# KiCad board Si5351ABreakout_panel.kicad_pcb (continued)
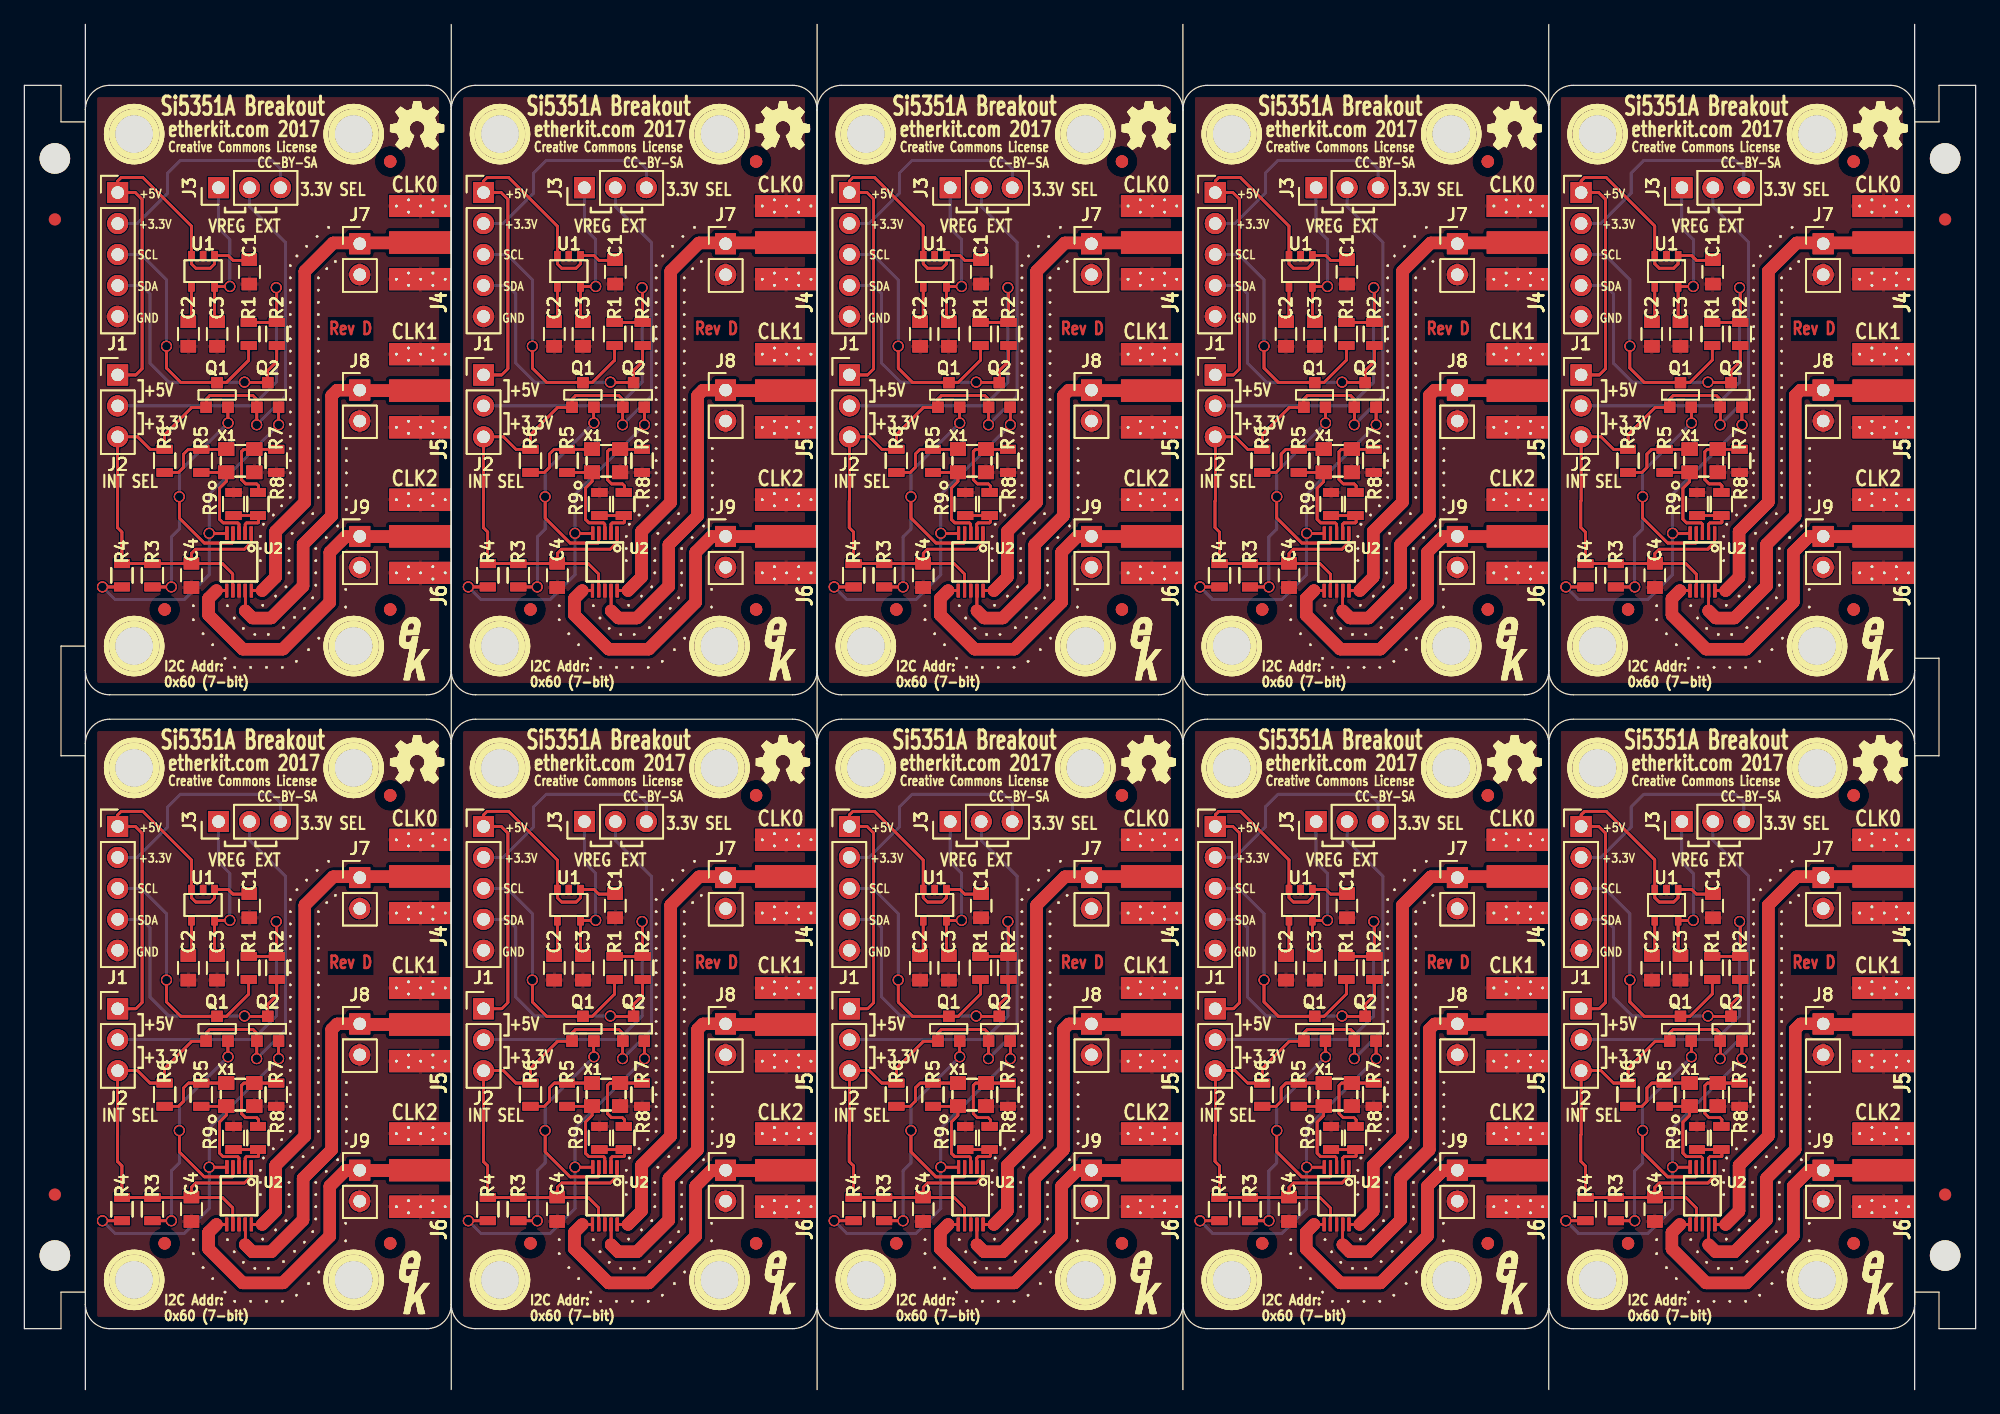
[diagram p0: board, top side]
## Placement (name value [footprint] x y rotation side) (continued)
R4#25  10k  [R_0805]  38 14.8 270 top
R4#26  10k  [R_0805]  38 14.8 270 top
R4#27  10k  [R_0805]  38 14.8 270 top
R4#28  10k  [R_0805]  38 14.8 270 top
R4#29  10k  [R_0805]  8 14.8 270 top
R4#30  10k  [R_0805]  8 14.8 270 top
R4#31  10k  [R_0805]  8 14.8 270 top
R4#32  10k  [R_0805]  8 14.8 270 top
R4#33  10k  [R_0805]  98 14.8 270 top
R4#34  10k  [R_0805]  98 14.8 270 top
R4#35  10k  [R_0805]  98 14.8 270 top
R4#36  10k  [R_0805]  98 14.8 270 top
R4#37  10k  [R_0805]  128 14.8 270 top
R4#38  10k  [R_0805]  128 14.8 270 top
R4#39  10k  [R_0805]  128 14.8 270 top
R4#40  10k  [R_0805]  128 14.8 270 top
R5  0  [R_0805]  14.5 76.2 270 top
R5#2  0  [R_0805]  44.5 76.2 270 top
R5#3  0  [R_0805]  74.5 76.2 270 top
R5#4  0  [R_0805]  104.5 76.2 270 top
R5#5  0  [R_0805]  134.5 76.2 270 top
R5#6  0  [R_0805]  14.5 76.2 270 top
R5#7  0  [R_0805]  44.5 76.2 270 top
R5#8  0  [R_0805]  74.5 76.2 270 top
R5#9  0  [R_0805]  104.5 76.2 270 top
R5#10  0  [R_0805]  134.5 76.2 270 top
R5#11  0  [R_0805]  134.5 76.2 270 top
R5#12  0  [R_0805]  104.5 76.2 270 top
R5#13  0  [R_0805]  74.5 76.2 270 top
R5#14  0  [R_0805]  44.5 76.2 270 top
R5#15  0  [R_0805]  14.5 76.2 270 top
R5#16  0  [R_0805]  14.5 76.2 270 top
R5#17  0  [R_0805]  44.5 76.2 270 top
R5#18  0  [R_0805]  74.5 76.2 270 top
R5#19  0  [R_0805]  104.5 76.2 270 top
R5#20  0  [R_0805]  134.5 76.2 270 top
R5#21  0  [R_0805]  74.5 24.2 270 top
R5#22  0  [R_0805]  14.5 24.2 270 top
R5#23  0  [R_0805]  14.5 24.2 270 top
R5#24  0  [R_0805]  14.5 24.2 270 top
R5#25  0  [R_0805]  14.5 24.2 270 top
R5#26  0  [R_0805]  74.5 24.2 270 top
R5#27  0  [R_0805]  74.5 24.2 270 top
R5#28  0  [R_0805]  74.5 24.2 270 top
R5#29  0  [R_0805]  44.5 24.2 270 top
R5#30  0  [R_0805]  44.5 24.2 270 top
R5#31  0  [R_0805]  44.5 24.2 270 top
R5#32  0  [R_0805]  44.5 24.2 270 top
R5#33  0  [R_0805]  134.5 24.2 270 top
R5#34  0  [R_0805]  134.5 24.2 270 top
R5#35  0  [R_0805]  134.5 24.2 270 top
R5#36  0  [R_0805]  134.5 24.2 270 top
R5#37  0  [R_0805]  104.5 24.2 270 top
R5#38  0  [R_0805]  104.5 24.2 270 top
R5#39  0  [R_0805]  104.5 24.2 270 top
R5#40  0  [R_0805]  104.5 24.2 270 top
R6  0  [R_0805]  11.5 76.2 270 top
R6#2  0  [R_0805]  41.5 76.2 270 top
R6#3  0  [R_0805]  71.5 76.2 270 top
R6#4  0  [R_0805]  101.5 76.2 270 top
R6#5  0  [R_0805]  131.5 76.2 270 top
R6#6  0  [R_0805]  11.5 76.2 270 top
R6#7  0  [R_0805]  41.5 76.2 270 top
R6#8  0  [R_0805]  71.5 76.2 270 top
R6#9  0  [R_0805]  101.5 76.2 270 top
R6#10  0  [R_0805]  131.5 76.2 270 top
R6#11  0  [R_0805]  131.5 76.2 270 top
R6#12  0  [R_0805]  101.5 76.2 270 top
R6#13  0  [R_0805]  71.5 76.2 270 top
R6#14  0  [R_0805]  41.5 76.2 270 top
R6#15  0  [R_0805]  11.5 76.2 270 top
R6#16  0  [R_0805]  11.5 76.2 270 top
R6#17  0  [R_0805]  41.5 76.2 270 top
R6#18  0  [R_0805]  71.5 76.2 270 top
R6#19  0  [R_0805]  101.5 76.2 270 top
R6#20  0  [R_0805]  131.5 76.2 270 top
R6#21  0  [R_0805]  71.5 24.2 270 top
R6#22  0  [R_0805]  11.5 24.2 270 top
R6#23  0  [R_0805]  11.5 24.2 270 top
R6#24  0  [R_0805]  11.5 24.2 270 top
R6#25  0  [R_0805]  11.5 24.2 270 top
R6#26  0  [R_0805]  71.5 24.2 270 top
R6#27  0  [R_0805]  71.5 24.2 270 top
R6#28  0  [R_0805]  71.5 24.2 270 top
R6#29  0  [R_0805]  41.5 24.2 270 top
R6#30  0  [R_0805]  41.5 24.2 270 top
R6#31  0  [R_0805]  41.5 24.2 270 top
R6#32  0  [R_0805]  41.5 24.2 270 top
R6#33  0  [R_0805]  101.5 24.2 270 top
R6#34  0  [R_0805]  131.5 24.2 270 top
R6#35  0  [R_0805]  131.5 24.2 270 top
R6#36  0  [R_0805]  131.5 24.2 270 top
R6#37  0  [R_0805]  131.5 24.2 270 top
R6#38  0  [R_0805]  101.5 24.2 270 top
R6#39  0  [R_0805]  101.5 24.2 270 top
R6#40  0  [R_0805]  101.5 24.2 270 top
R7  0  [R_0805]  20.65 76.2 270 top
R7#2  0  [R_0805]  50.65 76.2 270 top
R7#3  0  [R_0805]  80.65 76.2 270 top
R7#4  0  [R_0805]  110.65 76.2 270 top
R7#5  0  [R_0805]  140.65 76.2 270 top
R7#6  0  [R_0805]  20.65 76.2 270 top
R7#7  0  [R_0805]  50.65 76.2 270 top
R7#8  0  [R_0805]  80.65 76.2 270 top
R7#9  0  [R_0805]  110.65 76.2 270 top
R7#10  0  [R_0805]  140.65 76.2 270 top
R7#11  0  [R_0805]  140.65 76.2 270 top
R7#12  0  [R_0805]  110.65 76.2 270 top
R7#13  0  [R_0805]  80.65 76.2 270 top
R7#14  0  [R_0805]  50.65 76.2 270 top
R7#15  0  [R_0805]  20.65 76.2 270 top
R7#16  0  [R_0805]  20.65 76.2 270 top
R7#17  0  [R_0805]  50.65 76.2 270 top
R7#18  0  [R_0805]  80.65 76.2 270 top
R7#19  0  [R_0805]  110.65 76.2 270 top
R7#20  0  [R_0805]  140.65 76.2 270 top
R7#21  0  [R_0805]  80.65 24.2 270 top
R7#22  0  [R_0805]  20.65 24.2 270 top
R7#23  0  [R_0805]  20.65 24.2 270 top
R7#24  0  [R_0805]  20.65 24.2 270 top
R7#25  0  [R_0805]  20.65 24.2 270 top
R7#26  0  [R_0805]  80.65 24.2 270 top
R7#27  0  [R_0805]  80.65 24.2 270 top
R7#28  0  [R_0805]  80.65 24.2 270 top
R7#29  0  [R_0805]  50.65 24.2 270 top
R7#30  0  [R_0805]  50.65 24.2 270 top
R7#31  0  [R_0805]  50.65 24.2 270 top
R7#32  0  [R_0805]  50.65 24.2 270 top
R7#33  0  [R_0805]  140.65 24.2 270 top
R7#34  0  [R_0805]  140.65 24.2 270 top
R7#35  0  [R_0805]  140.65 24.2 270 top
R7#36  0  [R_0805]  140.65 24.2 270 top
R7#37  0  [R_0805]  110.65 24.2 270 top
R7#38  0  [R_0805]  110.65 24.2 270 top
R7#39  0  [R_0805]  110.65 24.2 270 top
R7#40  0  [R_0805]  110.65 24.2 270 top
R8  0  [R_0805]  19.15 72.65 270 top
R8#2  0  [R_0805]  49.15 72.65 270 top
R8#3  0  [R_0805]  79.15 72.65 270 top
R8#4  0  [R_0805]  109.15 72.65 270 top
R8#5  0  [R_0805]  139.15 72.65 270 top
R8#6  0  [R_0805]  19.15 72.65 270 top
R8#7  0  [R_0805]  49.15 72.65 270 top
R8#8  0  [R_0805]  79.15 72.65 270 top
R8#9  0  [R_0805]  109.15 72.65 270 top
R8#10  0  [R_0805]  139.15 72.65 270 top
R8#11  0  [R_0805]  139.15 72.65 270 top
R8#12  0  [R_0805]  109.15 72.65 270 top
R8#13  0  [R_0805]  79.15 72.65 270 top
R8#14  0  [R_0805]  49.15 72.65 270 top
R8#15  0  [R_0805]  19.15 72.65 270 top
R8#16  0  [R_0805]  19.15 72.65 270 top
R8#17  0  [R_0805]  49.15 72.65 270 top
R8#18  0  [R_0805]  79.15 72.65 270 top
R8#19  0  [R_0805]  109.15 72.65 270 top
R8#20  0  [R_0805]  139.15 72.65 270 top
R8#21  0  [R_0805]  79.15 20.65 270 top
R8#22  0  [R_0805]  19.15 20.65 270 top
R8#23  0  [R_0805]  19.15 20.65 270 top
R8#24  0  [R_0805]  19.15 20.65 270 top
R8#25  0  [R_0805]  19.15 20.65 270 top
R8#26  0  [R_0805]  79.15 20.65 270 top
R8#27  0  [R_0805]  79.15 20.65 270 top
R8#28  0  [R_0805]  79.15 20.65 270 top
R8#29  0  [R_0805]  49.15 20.65 270 top
R8#30  0  [R_0805]  49.15 20.65 270 top
R8#31  0  [R_0805]  49.15 20.65 270 top
R8#32  0  [R_0805]  49.15 20.65 270 top
R8#33  0  [R_0805]  109.15 20.65 270 top
R8#34  0  [R_0805]  109.15 20.65 270 top
R8#35  0  [R_0805]  109.15 20.65 270 top
R8#36  0  [R_0805]  109.15 20.65 270 top
R8#37  0  [R_0805]  139.15 20.65 270 top
R8#38  0  [R_0805]  139.15 20.65 270 top
R8#39  0  [R_0805]  139.15 20.65 270 top
R8#40  0  [R_0805]  139.15 20.65 270 top
R9  0  [R_0805]  17.15 72.65 90 top
R9#2  0  [R_0805]  47.15 72.65 90 top
R9#3  0  [R_0805]  77.15 72.65 90 top
R9#4  0  [R_0805]  107.15 72.65 90 top
R9#5  0  [R_0805]  137.15 72.65 90 top
R9#6  0  [R_0805]  17.15 72.65 90 top
R9#7  0  [R_0805]  47.15 72.65 90 top
R9#8  0  [R_0805]  77.15 72.65 90 top
R9#9  0  [R_0805]  107.15 72.65 90 top
R9#10  0  [R_0805]  137.15 72.65 90 top
R9#11  0  [R_0805]  137.15 72.65 90 top
R9#12  0  [R_0805]  107.15 72.65 90 top
R9#13  0  [R_0805]  77.15 72.65 90 top
R9#14  0  [R_0805]  47.15 72.65 90 top
R9#15  0  [R_0805]  17.15 72.65 90 top
R9#16  0  [R_0805]  17.15 72.65 90 top
R9#17  0  [R_0805]  47.15 72.65 90 top
R9#18  0  [R_0805]  77.15 72.65 90 top
R9#19  0  [R_0805]  107.15 72.65 90 top
R9#20  0  [R_0805]  137.15 72.65 90 top
R9#21  0  [R_0805]  77.15 20.65 90 top
R9#22  0  [R_0805]  17.15 20.65 90 top
R9#23  0  [R_0805]  17.15 20.65 90 top
R9#24  0  [R_0805]  17.15 20.65 90 top
R9#25  0  [R_0805]  17.15 20.65 90 top
R9#26  0  [R_0805]  77.15 20.65 90 top
R9#27  0  [R_0805]  77.15 20.65 90 top
R9#28  0  [R_0805]  77.15 20.65 90 top
R9#29  0  [R_0805]  47.15 20.65 90 top
R9#30  0  [R_0805]  47.15 20.65 90 top
R9#31  0  [R_0805]  47.15 20.65 90 top
R9#32  0  [R_0805]  47.15 20.65 90 top
R9#33  0  [R_0805]  107.15 20.65 90 top
R9#34  0  [R_0805]  107.15 20.65 90 top
R9#35  0  [R_0805]  107.15 20.65 90 top
R9#36  0  [R_0805]  107.15 20.65 90 top
R9#37  0  [R_0805]  137.15 20.65 90 top
R9#38  0  [R_0805]  137.15 20.65 90 top
R9#39  0  [R_0805]  137.15 20.65 90 top
R9#40  0  [R_0805]  137.15 20.65 90 top
Ref**  Val**  [EtherkitLogoSmall]  32 60.8 0 top
REF**  -  [Fiducial_1mm_Dia_2.54mm_Outer_CopperTop]  30 64 0 top
Ref**#2  Val**  [EtherkitLogoSmall]  62 60.8 0 top
REF**#2  -  [Fiducial_1mm_Dia_2.54mm_Outer_CopperTop]  60 64 0 top
Ref**#3  Val**  [EtherkitLogoSmall]  92 60.8 0 top
REF**#3  -  [Fiducial_1mm_Dia_2.54mm_Outer_CopperTop]  90 64 0 top
Ref**#4  Val**  [EtherkitLogoSmall]  122 60.8 0 top
REF**#4  -  [Fiducial_1mm_Dia_2.54mm_Outer_CopperTop]  120 64 0 top
Ref**#5  Val**  [EtherkitLogoSmall]  152 60.8 0 top
REF**#5  -  [Fiducial_1mm_Dia_2.54mm_Outer_CopperTop]  150 64 0 top
REF**#6  -  [Fiducial_1mm_Dia_2.54mm_Outer_CopperTop]  11.5 64 0 top
Ref**#6  Val**  [EtherkitLogoSmall]  32 60.8 0 top
REF**#7  -  [Fiducial_1mm_Dia_2.54mm_Outer_CopperTop]  41.5 64 0 top
Ref**#7  Val**  [EtherkitLogoSmall]  62 60.8 0 top
REF**#8  -  [Fiducial_1mm_Dia_2.54mm_Outer_CopperTop]  71.5 64 0 top
Ref**#8  Val**  [EtherkitLogoSmall]  92 60.8 0 top
REF**#9  -  [Fiducial_1mm_Dia_2.54mm_Outer_CopperTop]  101.5 64 0 top
Ref**#9  Val**  [EtherkitLogoSmall]  122 60.8 0 top
REF**#10  -  [Fiducial_1mm_Dia_2.54mm_Outer_CopperTop]  131.5 64 0 top
Ref**#10  Val**  [EtherkitLogoSmall]  152 60.8 0 top
REF**#11  -  [Fiducial_1mm_Dia_2.54mm_Outer_CopperTop]  30 100.75 0 top
Ref**#11  Val**  [EtherkitLogoSmall]  152 60.8 0 top
REF**#12  -  [Fiducial_1mm_Dia_2.54mm_Outer_CopperTop]  60 100.75 0 top
Ref**#12  Val**  [EtherkitLogoSmall]  122 60.8 0 top
REF**#13  -  [Fiducial_1mm_Dia_2.54mm_Outer_CopperTop]  90 100.75 0 top
Ref**#13  Val**  [EtherkitLogoSmall]  92 60.8 0 top
REF**#14  -  [Fiducial_1mm_Dia_2.54mm_Outer_CopperTop]  120 100.75 0 top
Ref**#14  Val**  [EtherkitLogoSmall]  62 60.8 0 top
REF**#15  -  [Fiducial_1mm_Dia_2.54mm_Outer_CopperTop]  150 100.75 0 top
Ref**#15  Val**  [EtherkitLogoSmall]  32 60.8 0 top
REF**#16  -  [Fiducial_1mm_Dia_2.54mm_Outer_CopperTop]  30 64 0 top
Ref**#16  Val**  [EtherkitLogoSmall]  32 60.8 0 top
REF**#17  -  [Fiducial_1mm_Dia_2.54mm_Outer_CopperTop]  11.5 64 0 top
Ref**#17  Val**  [EtherkitLogoSmall]  62 60.8 0 top
REF**#18  -  [Fiducial_1mm_Dia_2.54mm_Outer_CopperTop]  30 100.75 0 top
Ref**#18  Val**  [EtherkitLogoSmall]  92 60.8 0 top
REF**#19  -  [Fiducial_1mm_Dia_2.54mm_Outer_CopperTop]  60 64 0 top
Ref**#19  Val**  [EtherkitLogoSmall]  122 60.8 0 top
REF**#20  -  [Fiducial_1mm_Dia_2.54mm_Outer_CopperTop]  41.5 64 0 top
Ref**#20  Val**  [EtherkitLogoSmall]  152 60.8 0 top
REF**#21  -  [Fiducial_1mm_Dia_2.54mm_Outer_CopperTop]  60 100.75 0 top
Ref**#21  Val**  [EtherkitLogoSmall]  62 8.8 0 top
REF**#22  -  [Fiducial_1mm_Dia_2.54mm_Outer_CopperTop]  90 64 0 top
Ref**#22  Val**  [EtherkitLogoSmall]  62 8.8 0 top
REF**#23  -  [Fiducial_1mm_Dia_2.54mm_Outer_CopperTop]  71.5 64 0 top
Ref**#23  Val**  [EtherkitLogoSmall]  62 8.8 0 top
REF**#24  -  [Fiducial_1mm_Dia_2.54mm_Outer_CopperTop]  90 100.75 0 top
Ref**#24  Val**  [EtherkitLogoSmall]  62 8.8 0 top
REF**#25  -  [Fiducial_1mm_Dia_2.54mm_Outer_CopperTop]  120 64 0 top
Ref**#25  Val**  [EtherkitLogoSmall]  32 8.8 0 top
REF**#26  -  [Fiducial_1mm_Dia_2.54mm_Outer_CopperTop]  101.5 64 0 top
Ref**#26  Val**  [EtherkitLogoSmall]  32 8.8 0 top
REF**#27  -  [Fiducial_1mm_Dia_2.54mm_Outer_CopperTop]  120 100.75 0 top
Ref**#27  Val**  [EtherkitLogoSmall]  32 8.8 0 top
REF**#28  -  [Fiducial_1mm_Dia_2.54mm_Outer_CopperTop]  150 64 0 top
Ref**#28  Val**  [EtherkitLogoSmall]  32 8.8 0 top
REF**#29  -  [Fiducial_1mm_Dia_2.54mm_Outer_CopperTop]  131.5 64 0 top
Ref**#29  Val**  [EtherkitLogoSmall]  152 8.8 0 top
REF**#30  -  [Fiducial_1mm_Dia_2.54mm_Outer_CopperTop]  150 100.75 0 top
Ref**#30  Val**  [EtherkitLogoSmall]  152 8.8 0 top
REF**#31  -  [Fiducial_1mm_Dia_2.54mm_Outer_CopperTop]  150 100.75 0 top
Ref**#31  Val**  [EtherkitLogoSmall]  152 8.8 0 top
REF**#32  -  [Fiducial_1mm_Dia_2.54mm_Outer_CopperTop]  131.5 64 0 top
Ref**#32  Val**  [EtherkitLogoSmall]  152 8.8 0 top
REF**#33  -  [Fiducial_1mm_Dia_2.54mm_Outer_CopperTop]  150 64 0 top
Ref**#33  Val**  [EtherkitLogoSmall]  122 8.8 0 top
REF**#34  -  [Fiducial_1mm_Dia_2.54mm_Outer_CopperTop]  120 100.75 0 top
Ref**#34  Val**  [EtherkitLogoSmall]  122 8.8 0 top
REF**#35  -  [Fiducial_1mm_Dia_2.54mm_Outer_CopperTop]  101.5 64 0 top
Ref**#35  Val**  [EtherkitLogoSmall]  122 8.8 0 top
REF**#36  -  [Fiducial_1mm_Dia_2.54mm_Outer_CopperTop]  120 64 0 top
Ref**#36  Val**  [EtherkitLogoSmall]  122 8.8 0 top
REF**#37  -  [Fiducial_1mm_Dia_2.54mm_Outer_CopperTop]  90 100.75 0 top
Ref**#37  Val**  [EtherkitLogoSmall]  92 8.8 0 top
REF**#38  -  [Fiducial_1mm_Dia_2.54mm_Outer_CopperTop]  71.5 64 0 top
Ref**#38  Val**  [EtherkitLogoSmall]  92 8.8 0 top
REF**#39  -  [Fiducial_1mm_Dia_2.54mm_Outer_CopperTop]  90 64 0 top
Ref**#39  Val**  [EtherkitLogoSmall]  92 8.8 0 top
REF**#40  -  [Fiducial_1mm_Dia_2.54mm_Outer_CopperTop]  60 100.75 0 top
Ref**#40  Val**  [EtherkitLogoSmall]  92 8.8 0 top
REF**#41  -  [Fiducial_1mm_Dia_2.54mm_Outer_CopperTop]  41.5 64 0 top
REF**#42  -  [Fiducial_1mm_Dia_2.54mm_Outer_CopperTop]  60 64 0 top
REF**#43  -  [Fiducial_1mm_Dia_2.54mm_Outer_CopperTop]  30 100.75 0 top
REF**#44  -  [Fiducial_1mm_Dia_2.54mm_Outer_CopperTop]  11.5 64 0 top
REF**#45  -  [Fiducial_1mm_Dia_2.54mm_Outer_CopperTop]  30 64 0 top
REF**#46  -  [Fiducial_1mm_Dia_2.54mm_Outer_CopperTop]  30 64 0 top
REF**#47  -  [Fiducial_1mm_Dia_2.54mm_Outer_CopperTop]  11.5 64 0 top
REF**#48  -  [Fiducial_1mm_Dia_2.54mm_Outer_CopperTop]  30 100.75 0 top
REF**#49  -  [Fiducial_1mm_Dia_2.54mm_Outer_CopperTop]  60 64 0 top
REF**#50  -  [Fiducial_1mm_Dia_2.54mm_Outer_CopperTop]  41.5 64 0 top
REF**#51  -  [Fiducial_1mm_Dia_2.54mm_Outer_CopperTop]  60 100.75 0 top
REF**#52  -  [Fiducial_1mm_Dia_2.54mm_Outer_CopperTop]  90 64 0 top
REF**#53  -  [Fiducial_1mm_Dia_2.54mm_Outer_CopperTop]  71.5 64 0 top
REF**#54  -  [Fiducial_1mm_Dia_2.54mm_Outer_CopperTop]  90 100.75 0 top
REF**#55  -  [Fiducial_1mm_Dia_2.54mm_Outer_CopperTop]  120 64 0 top
REF**#56  -  [Fiducial_1mm_Dia_2.54mm_Outer_CopperTop]  101.5 64 0 top
REF**#57  -  [Fiducial_1mm_Dia_2.54mm_Outer_CopperTop]  120 100.75 0 top
REF**#58  -  [Fiducial_1mm_Dia_2.54mm_Outer_CopperTop]  150 64 0 top
REF**#59  -  [Fiducial_1mm_Dia_2.54mm_Outer_CopperTop]  131.5 64 0 top
REF**#60  -  [Fiducial_1mm_Dia_2.54mm_Outer_CopperTop]  150 100.75 0 top
REF**#61  -  [Fiducial_1mm_Dia_2.54mm_Outer_CopperTop]  71.5 12 0 top
REF**#62  -  [Fiducial_1mm_Dia_2.54mm_Outer_CopperTop]  71.5 12 0 top
REF**#63  -  [Fiducial_1mm_Dia_2.54mm_Outer_CopperTop]  71.5 12 0 top
REF**#64  -  [Fiducial_1mm_Dia_2.54mm_Outer_CopperTop]  71.5 12 0 top
REF**#65  -  [Fiducial_1mm_Dia_2.54mm_Outer_CopperTop]  60 12 0 top
REF**#66  -  [Fiducial_1mm_Dia_2.54mm_Outer_CopperTop]  60 12 0 top
REF**#67  -  [Fiducial_1mm_Dia_2.54mm_Outer_CopperTop]  60 12 0 top
REF**#68  -  [Fiducial_1mm_Dia_2.54mm_Outer_CopperTop]  60 12 0 top
REF**#69  -  [Fiducial_1mm_Dia_2.54mm_Outer_CopperTop]  30 48.75 0 top
REF**#70  -  [Fiducial_1mm_Dia_2.54mm_Outer_CopperTop]  30 48.75 0 top
REF**#71  -  [Fiducial_1mm_Dia_2.54mm_Outer_CopperTop]  30 48.75 0 top
REF**#72  -  [Fiducial_1mm_Dia_2.54mm_Outer_CopperTop]  30 48.75 0 top
REF**#73  -  [Fiducial_1mm_Dia_2.54mm_Outer_CopperTop]  41.5 12 0 top
REF**#74  -  [Fiducial_1mm_Dia_2.54mm_Outer_CopperTop]  41.5 12 0 top
REF**#75  -  [Fiducial_1mm_Dia_2.54mm_Outer_CopperTop]  41.5 12 0 top
REF**#76  -  [Fiducial_1mm_Dia_2.54mm_Outer_CopperTop]  41.5 12 0 top
REF**#77  -  [Fiducial_1mm_Dia_2.54mm_Outer_CopperTop]  11.5 12 0 top
REF**#78  -  [Fiducial_1mm_Dia_2.54mm_Outer_CopperTop]  11.5 12 0 top
REF**#79  -  [Fiducial_1mm_Dia_2.54mm_Outer_CopperTop]  11.5 12 0 top
REF**#80  -  [Fiducial_1mm_Dia_2.54mm_Outer_CopperTop]  11.5 12 0 top
REF**#81  -  [Fiducial_1mm_Dia_2.54mm_Outer_CopperTop]  30 12 0 top
REF**#82  -  [Fiducial_1mm_Dia_2.54mm_Outer_CopperTop]  30 12 0 top
REF**#83  -  [Fiducial_1mm_Dia_2.54mm_Outer_CopperTop]  30 12 0 top
REF**#84  -  [Fiducial_1mm_Dia_2.54mm_Outer_CopperTop]  30 12 0 top
REF**#85  -  [Fiducial_1mm_Dia_2.54mm_Outer_CopperTop]  60 48.75 0 top
REF**#86  -  [Fiducial_1mm_Dia_2.54mm_Outer_CopperTop]  60 48.75 0 top
REF**#87  -  [Fiducial_1mm_Dia_2.54mm_Outer_CopperTop]  60 48.75 0 top
REF**#88  -  [Fiducial_1mm_Dia_2.54mm_Outer_CopperTop]  60 48.75 0 top
REF**#89  -  [Fiducial_1mm_Dia_2.54mm_Outer_CopperTop]  150 48.75 0 top
REF**#90  -  [Fiducial_1mm_Dia_2.54mm_Outer_CopperTop]  150 48.75 0 top
REF**#91  -  [Fiducial_1mm_Dia_2.54mm_Outer_CopperTop]  150 48.75 0 top
REF**#92  -  [Fiducial_1mm_Dia_2.54mm_Outer_CopperTop]  150 48.75 0 top
REF**#93  -  [Fiducial_1mm_Dia_2.54mm_Outer_CopperTop]  120 48.75 0 top
REF**#94  -  [Fiducial_1mm_Dia_2.54mm_Outer_CopperTop]  120 48.75 0 top
REF**#95  -  [Fiducial_1mm_Dia_2.54mm_Outer_CopperTop]  120 48.75 0 top
REF**#96  -  [Fiducial_1mm_Dia_2.54mm_Outer_CopperTop]  120 48.75 0 top
REF**#97  -  [Fiducial_1mm_Dia_2.54mm_Outer_CopperTop]  101.5 12 0 top
REF**#98  -  [Fiducial_1mm_Dia_2.54mm_Outer_CopperTop]  101.5 12 0 top
REF**#99  -  [Fiducial_1mm_Dia_2.54mm_Outer_CopperTop]  101.5 12 0 top
REF**#100  -  [Fiducial_1mm_Dia_2.54mm_Outer_CopperTop]  101.5 12 0 top
REF**#101  -  [Fiducial_1mm_Dia_2.54mm_Outer_CopperTop]  90 48.75 0 top
REF**#102  -  [Fiducial_1mm_Dia_2.54mm_Outer_CopperTop]  90 48.75 0 top
REF**#103  -  [Fiducial_1mm_Dia_2.54mm_Outer_CopperTop]  90 48.75 0 top
REF**#104  -  [Fiducial_1mm_Dia_2.54mm_Outer_CopperTop]  90 48.75 0 top
REF**#105  -  [Fiducial_1mm_Dia_2.54mm_Outer_CopperTop]  150 12 0 top
REF**#106  -  [Fiducial_1mm_Dia_2.54mm_Outer_CopperTop]  150 12 0 top
REF**#107  -  [Fiducial_1mm_Dia_2.54mm_Outer_CopperTop]  150 12 0 top
REF**#108  -  [Fiducial_1mm_Dia_2.54mm_Outer_CopperTop]  150 12 0 top
REF**#109  -  [Fiducial_1mm_Dia_2.54mm_Outer_CopperTop]  131.5 12 0 top
REF**#110  -  [Fiducial_1mm_Dia_2.54mm_Outer_CopperTop]  131.5 12 0 top
REF**#111  -  [Fiducial_1mm_Dia_2.54mm_Outer_CopperTop]  131.5 12 0 top
REF**#112  -  [Fiducial_1mm_Dia_2.54mm_Outer_CopperTop]  131.5 12 0 top
REF**#113  -  [Fiducial_1mm_Dia_2.54mm_Outer_CopperTop]  120 12 0 top
REF**#114  -  [Fiducial_1mm_Dia_2.54mm_Outer_CopperTop]  120 12 0 top
REF**#115  -  [Fiducial_1mm_Dia_2.54mm_Outer_CopperTop]  120 12 0 top
REF**#116  -  [Fiducial_1mm_Dia_2.54mm_Outer_CopperTop]  120 12 0 top
REF**#117  -  [Fiducial_1mm_Dia_2.54mm_Outer_CopperTop]  90 12 0 top
REF**#118  -  [Fiducial_1mm_Dia_2.54mm_Outer_CopperTop]  90 12 0 top
REF**#119  -  [Fiducial_1mm_Dia_2.54mm_Outer_CopperTop]  90 12 0 top
REF**#120  -  [Fiducial_1mm_Dia_2.54mm_Outer_CopperTop]  90 12 0 top
REF**#121  -  [MountingHole_2.5mm]  157.5 11 0 top
REF**#122  -  [MountingHole_2.5mm]  2.5 11 0 top
REF**#123  -  [MountingHole_2.5mm]  2.5 101 0 top
REF**#124  MountingHole_2.5mm  [MountingHole_2.5mm#2]  157.5 101 0 top
REF**#125  -  [Fiducial_1mm_Dia_2.54mm_Outer_CopperTop]  157.5 96 0 top
REF**#126  -  [Fiducial_1mm_Dia_2.54mm_Outer_CopperTop]  2.5 96 0 top
REF**#127  -  [Fiducial_1mm_Dia_2.54mm_Outer_CopperTop]  157.5 16 0 top
REF**#128  -  [Fiducial_1mm_Dia_2.54mm_Outer_CopperTop]  2.5 16 0 top
REF**#129  -  [MountingHole_2.5mm]  157.5 101 0 top
U1  LP2985-3.3  [SOT23-5]  14.65 91.75 180 top
U1#2  LP2985-3.3  [SOT23-5]  44.65 91.75 180 top
U1#3  LP2985-3.3  [SOT23-5]  74.65 91.75 180 top
U1#4  LP2985-3.3  [SOT23-5]  104.65 91.75 180 top
U1#5  LP2985-3.3  [SOT23-5]  134.65 91.75 180 top
U1#6  LP2985-3.3  [SOT23-5]  14.65 91.75 180 top
U1#7  LP2985-3.3  [SOT23-5]  44.65 91.75 180 top
U1#8  LP2985-3.3  [SOT23-5]  74.65 91.75 180 top
U1#9  LP2985-3.3  [SOT23-5]  104.65 91.75 180 top
U1#10  LP2985-3.3  [SOT23-5]  134.65 91.75 180 top
U1#11  LP2985-3.3  [SOT23-5]  134.65 91.75 180 top
U1#12  LP2985-3.3  [SOT23-5]  104.65 91.75 180 top
U1#13  LP2985-3.3  [SOT23-5]  74.65 91.75 180 top
U1#14  LP2985-3.3  [SOT23-5]  44.65 91.75 180 top
U1#15  LP2985-3.3  [SOT23-5]  14.65 91.75 180 top
U1#16  LP2985-3.3  [SOT23-5]  14.65 91.75 180 top
U1#17  LP2985-3.3  [SOT23-5]  44.65 91.75 180 top
U1#18  LP2985-3.3  [SOT23-5]  74.65 91.75 180 top
U1#19  LP2985-3.3  [SOT23-5]  104.65 91.75 180 top
U1#20  LP2985-3.3  [SOT23-5]  134.65 91.75 180 top
U1#21  LP2985-3.3  [SOT23-5]  14.65 39.75 180 top
U1#22  LP2985-3.3  [SOT23-5]  14.65 39.75 180 top
U1#23  LP2985-3.3  [SOT23-5]  14.65 39.75 180 top
U1#24  LP2985-3.3  [SOT23-5]  14.65 39.75 180 top
U1#25  LP2985-3.3  [SOT23-5]  74.65 39.75 180 top
U1#26  LP2985-3.3  [SOT23-5]  74.65 39.75 180 top
U1#27  LP2985-3.3  [SOT23-5]  74.65 39.75 180 top
U1#28  LP2985-3.3  [SOT23-5]  74.65 39.75 180 top
U1#29  LP2985-3.3  [SOT23-5]  44.65 39.75 180 top
U1#30  LP2985-3.3  [SOT23-5]  44.65 39.75 180 top
U1#31  LP2985-3.3  [SOT23-5]  44.65 39.75 180 top
U1#32  LP2985-3.3  [SOT23-5]  44.65 39.75 180 top
U1#33  LP2985-3.3  [SOT23-5]  134.65 39.75 180 top
U1#34  LP2985-3.3  [SOT23-5]  134.65 39.75 180 top
U1#35  LP2985-3.3  [SOT23-5]  134.65 39.75 180 top
U1#36  LP2985-3.3  [SOT23-5]  134.65 39.75 180 top
U1#37  LP2985-3.3  [SOT23-5]  104.65 39.75 180 top
U1#38  LP2985-3.3  [SOT23-5]  104.65 39.75 180 top
U1#39  LP2985-3.3  [SOT23-5]  104.65 39.75 180 top
U1#40  LP2985-3.3  [SOT23-5]  104.65 39.75 180 top
U2  Si5351A-B  [MSOP-10]  17.6 67.9 180 top
U2#2  Si5351A-B  [MSOP-10]  47.6 67.9 180 top
U2#3  Si5351A-B  [MSOP-10]  77.6 67.9 180 top
U2#4  Si5351A-B  [MSOP-10]  107.6 67.9 180 top
U2#5  Si5351A-B  [MSOP-10]  137.6 67.9 180 top
U2#6  Si5351A-B  [MSOP-10]  17.6 67.9 180 top
U2#7  Si5351A-B  [MSOP-10]  47.6 67.9 180 top
U2#8  Si5351A-B  [MSOP-10]  77.6 67.9 180 top
U2#9  Si5351A-B  [MSOP-10]  107.6 67.9 180 top
U2#10  Si5351A-B  [MSOP-10]  137.6 67.9 180 top
U2#11  Si5351A-B  [MSOP-10]  137.6 67.9 180 top
U2#12  Si5351A-B  [MSOP-10]  107.6 67.9 180 top
U2#13  Si5351A-B  [MSOP-10]  77.6 67.9 180 top
U2#14  Si5351A-B  [MSOP-10]  47.6 67.9 180 top
U2#15  Si5351A-B  [MSOP-10]  17.6 67.9 180 top
U2#16  Si5351A-B  [MSOP-10]  17.6 67.9 180 top
U2#17  Si5351A-B  [MSOP-10]  47.6 67.9 180 top
U2#18  Si5351A-B  [MSOP-10]  77.6 67.9 180 top
U2#19  Si5351A-B  [MSOP-10]  107.6 67.9 180 top
U2#20  Si5351A-B  [MSOP-10]  137.6 67.9 180 top
U2#21  Si5351A-B  [MSOP-10]  77.6 15.9 180 top
U2#22  Si5351A-B  [MSOP-10]  77.6 15.9 180 top
U2#23  Si5351A-B  [MSOP-10]  77.6 15.9 180 top
U2#24  Si5351A-B  [MSOP-10]  77.6 15.9 180 top
U2#25  Si5351A-B  [MSOP-10]  17.6 15.9 180 top
U2#26  Si5351A-B  [MSOP-10]  47.6 15.9 180 top
U2#27  Si5351A-B  [MSOP-10]  47.6 15.9 180 top
U2#28  Si5351A-B  [MSOP-10]  47.6 15.9 180 top
U2#29  Si5351A-B  [MSOP-10]  47.6 15.9 180 top
U2#30  Si5351A-B  [MSOP-10]  17.6 15.9 180 top
U2#31  Si5351A-B  [MSOP-10]  17.6 15.9 180 top
U2#32  Si5351A-B  [MSOP-10]  17.6 15.9 180 top
U2#33  Si5351A-B  [MSOP-10]  107.6 15.9 180 top
U2#34  Si5351A-B  [MSOP-10]  107.6 15.9 180 top
U2#35  Si5351A-B  [MSOP-10]  107.6 15.9 180 top
U2#36  Si5351A-B  [MSOP-10]  107.6 15.9 180 top
U2#37  Si5351A-B  [MSOP-10]  137.6 15.9 180 top
U2#38  Si5351A-B  [MSOP-10]  137.6 15.9 180 top
U2#39  Si5351A-B  [MSOP-10]  137.6 15.9 180 top
U2#40  Si5351A-B  [MSOP-10]  137.6 15.9 180 top